# Altium PCB DSP_FPGA.PcbDoc (part 6 of 7) (continued)
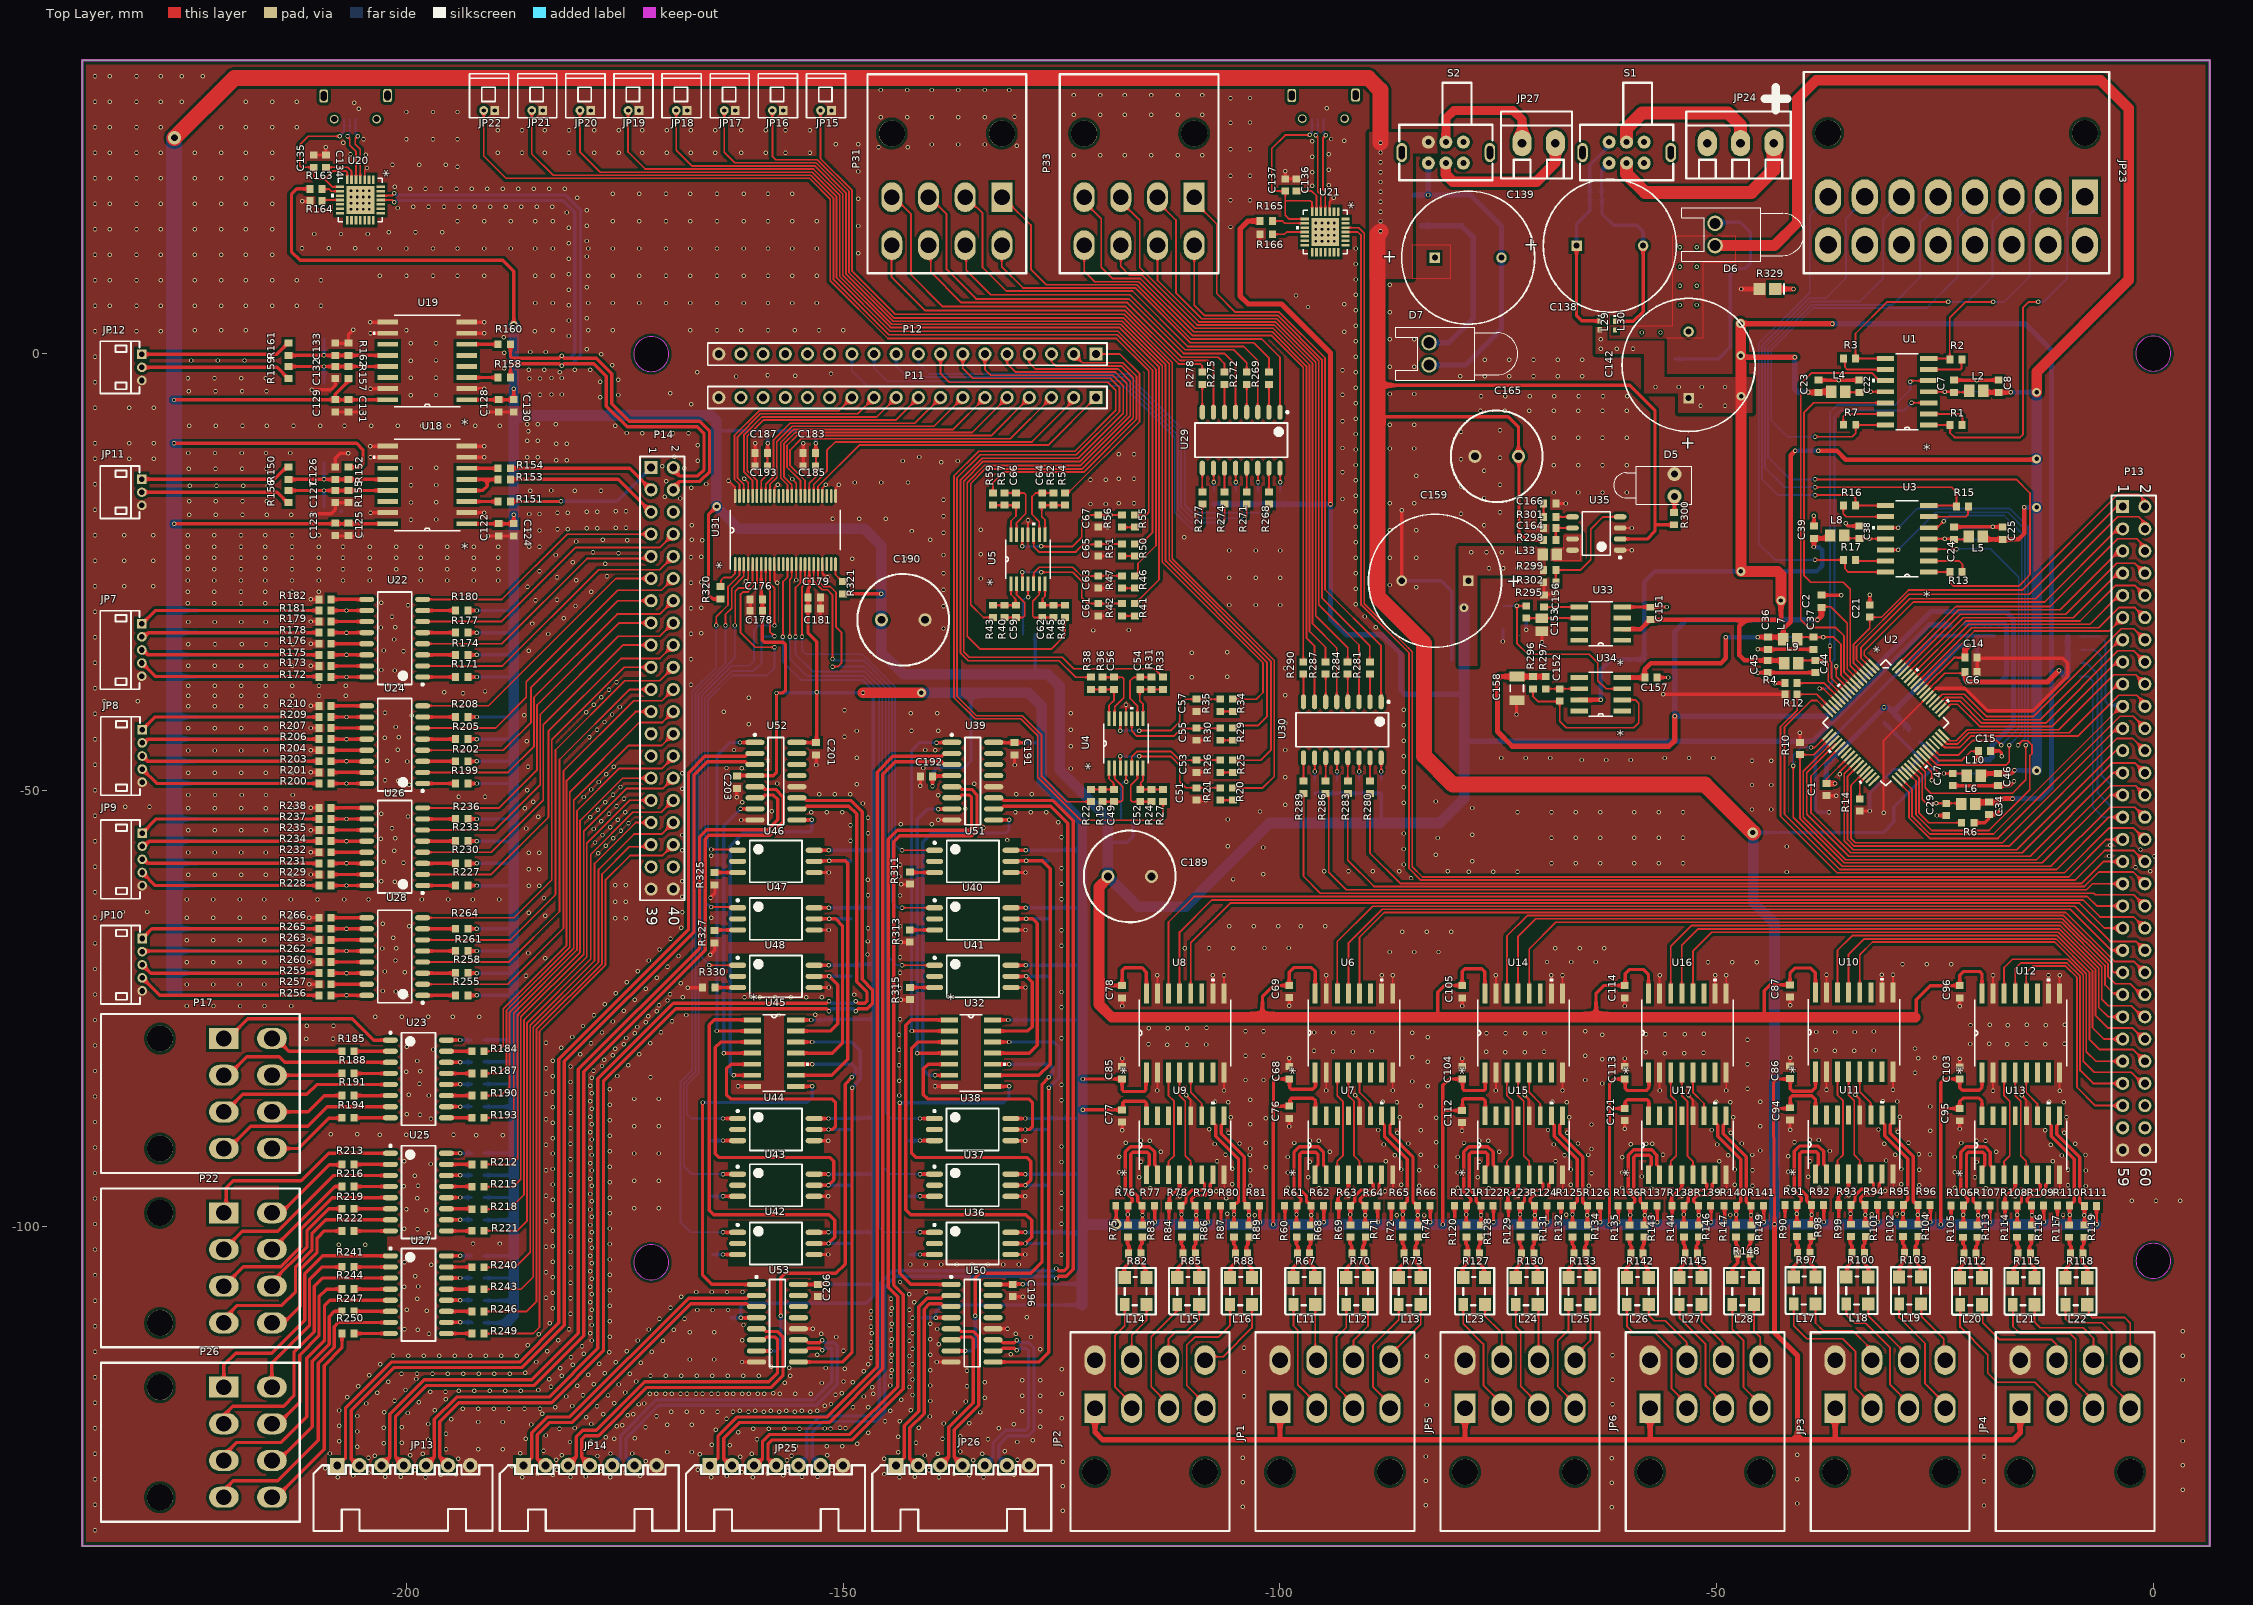
[diagram p0: Top Layer view]
## Nets (pads, with @x,y where several pads share a name; then routed paths per layer and width w, separated by ;. In a path a pad name is that pad's centre, name@x,y a point inside that pad or via, vN(x,y) a via of type N, cw(c..) or ccw(c..) an arc to the next point about the centre after c; other vN are vias at no path point) (continued)
NetR193_2: R193.2 U23.9 | length 2.9
  Top Layer w0.381: U23.9@-195.453,-87.503 R193.2@-192.533,-87.503
NetR194_1: R194.1 U23.8 | length 4.2
  Top Layer w0.381: R194.1@-206.005,-87.503 U23.8@-201.853,-87.503
NetR195_1: R195.1 R200.1 U24.16 | length 5.8
  Top Layer w0.381: R200.1@-208.647,-49.225 v1(-206.883,-49.225) U24.16@-204.571,-49.225
  Bottom Layer w0.381: R195.1@-208.647,-49.225 v1(-206.883,-49.225)
NetR196_1: R196.1 R203.1 U24.14 | length 5.8
  Top Layer w0.381: R203.1@-208.647,-46.685 v1(-206.883,-46.685) U24.14@-204.571,-46.685
  Bottom Layer w0.381: R196.1@-208.647,-46.685 v1(-206.883,-46.685)
NetR197_1: R197.1 R206.1 U24.12 | length 5.8
  Top Layer w0.381: R206.1@-208.647,-44.145 v1(-206.883,-44.145) U24.12@-204.571,-44.145
  Bottom Layer w0.381: R197.1@-208.647,-44.145 v1(-206.883,-44.145)
NetR198_1: R198.1 R209.1 U24.10 | length 5.8
  Top Layer w0.381: R209.1@-208.647,-41.605 v1(-206.883,-41.605) U24.10@-204.571,-41.605
  Bottom Layer w0.381: R198.1@-208.647,-41.605 v1(-206.883,-41.605)
NetR199_2: R199.2 U24.1 | length 3.8
  Top Layer w0.381: U24.1@-198.171,-49.225 R199.2@-194.393,-49.225
NetR201_1: R201.1 U24.15 | length 4.1
  Top Layer w0.381: R201.1@-208.647,-47.955 U24.15@-204.571,-47.955
NetR202_2: R202.2 U24.3 | length 3.8
  Top Layer w0.381: U24.3@-198.171,-46.685 R202.2@-194.393,-46.685
NetR204_1: R204.1 U24.13 | length 4.1
  Top Layer w0.381: R204.1@-208.647,-45.415 U24.13@-204.571,-45.415
NetR205_2: R205.2 U24.5 | length 3.8
  Top Layer w0.381: U24.5@-198.171,-44.145 R205.2@-194.393,-44.145
NetR207_1: R207.1 U24.11 | length 4.1
  Top Layer w0.381: R207.1@-208.647,-42.875 U24.11@-204.571,-42.875
NetR208_2: R208.2 U24.7 | length 3.8
  Top Layer w0.381: U24.7@-198.171,-41.605 R208.2@-194.393,-41.605
NetR210_1: R210.1 U24.9 | length 4.1
  Top Layer w0.381: R210.1@-208.647,-40.335 U24.9@-204.571,-40.335
NetR211_2: R211.2 U25.16 | length 2.9
  Top Layer w0.381: U25.16@-195.44,-91.554 v1(-193.853,-91.554)
  Bottom Layer w0.381: v1(-193.853,-91.554) R211.2@-192.572,-91.554
NetR212_2: R212.2 U25.15 | length 2.9
  Top Layer w0.381: U25.15@-195.453,-92.837 R212.2@-192.533,-92.837
NetR213_1: R213.1 U25.2 | length 4.2
  Top Layer w0.381: R213.1@-206.005,-92.837 U25.2@-201.853,-92.837
NetR214_2: R214.2 U25.14 | length 2.9
  Top Layer w0.381: U25.14@-195.44,-94.094 v1(-193.853,-94.094)
  Bottom Layer w0.381: v1(-193.853,-94.094) R214.2@-192.572,-94.094
NetR215_2: R215.2 U25.13 | length 2.9
  Top Layer w0.381: U25.13@-195.453,-95.377 R215.2@-192.533,-95.377
NetR216_1: R216.1 U25.4 | length 4.2
  Top Layer w0.381: R216.1@-206.005,-95.377 U25.4@-201.853,-95.377
NetR217_2: R217.2 U25.12 | length 2.9
  Top Layer w0.381: U25.12@-195.44,-96.634 v1(-193.853,-96.634)
  Bottom Layer w0.381: v1(-193.853,-96.634) R217.2@-192.572,-96.634
NetR218_2: R218.2 U25.11 | length 2.9
  Top Layer w0.381: U25.11@-195.453,-97.917 R218.2@-192.533,-97.917
NetR219_1: R219.1 U25.6 | length 4.2
  Top Layer w0.381: R219.1@-206.005,-97.917 U25.6@-201.853,-97.917
NetR220_2: R220.2 U25.10 | length 2.9
  Top Layer w0.381: U25.10@-195.44,-99.174 v1(-193.853,-99.174)
  Bottom Layer w0.381: v1(-193.853,-99.174) R220.2@-192.572,-99.174
NetR221_2: R221.2 U25.9 | length 2.9
  Top Layer w0.381: U25.9@-195.453,-100.457 R221.2@-192.533,-100.457
NetR222_1: R222.1 U25.8 | length 4.2
  Top Layer w0.381: R222.1@-206.005,-100.457 U25.8@-201.853,-100.457
NetR223_1: R223.1 R228.1 U26.16 | length 5.8
  Top Layer w0.381: R228.1@-208.647,-60.909 v1(-206.883,-60.909) U26.16@-204.571,-60.909
  Bottom Layer w0.381: R223.1@-208.647,-60.909 v1(-206.883,-60.909)
NetR224_1: R224.1 R231.1 U26.14 | length 5.8
  Top Layer w0.381: R231.1@-208.647,-58.369 v1(-206.883,-58.369) U26.14@-204.571,-58.369
  Bottom Layer w0.381: R224.1@-208.647,-58.369 v1(-206.883,-58.369)
NetR225_1: R225.1 R234.1 U26.12 | length 5.8
  Top Layer w0.381: R234.1@-208.647,-55.829 v1(-206.883,-55.829) U26.12@-204.571,-55.829
  Bottom Layer w0.381: R225.1@-208.647,-55.829 v1(-206.883,-55.829)
NetR226_1: R226.1 R237.1 U26.10 | length 5.8
  Top Layer w0.381: R237.1@-208.647,-53.289 v1(-206.883,-53.289) U26.10@-204.571,-53.289
  Bottom Layer w0.381: R226.1@-208.647,-53.289 v1(-206.883,-53.289)
NetR227_2: R227.2 U26.1 | length 3.8
  Top Layer w0.381: U26.1@-198.171,-60.909 R227.2@-194.393,-60.909
NetR229_1: R229.1 U26.15 | length 4.1
  Top Layer w0.381: R229.1@-208.647,-59.639 U26.15@-204.571,-59.639
NetR230_2: R230.2 U26.3 | length 3.8
  Top Layer w0.381: U26.3@-198.171,-58.369 R230.2@-194.393,-58.369
NetR232_1: R232.1 U26.13 | length 4.1
  Top Layer w0.381: R232.1@-208.647,-57.099 U26.13@-204.571,-57.099
NetR233_2: R233.2 U26.5 | length 3.8
  Top Layer w0.381: U26.5@-198.171,-55.829 R233.2@-194.393,-55.829
NetR235_1: R235.1 U26.11 | length 4.1
  Top Layer w0.381: R235.1@-208.647,-54.559 U26.11@-204.571,-54.559
NetR236_2: R236.2 U26.7 | length 3.8
  Top Layer w0.381: U26.7@-198.171,-53.289 R236.2@-194.393,-53.289
NetR238_1: R238.1 U26.9 | length 4.1
  Top Layer w0.381: R238.1@-208.647,-52.019 U26.9@-204.571,-52.019
NetR239_2: R239.2 U27.16 | length 2.9
  Top Layer w0.381: U27.16@-195.44,-103.302 v1(-193.853,-103.302)
  Bottom Layer w0.381: v1(-193.853,-103.302) R239.2@-192.572,-103.302
NetR240_2: R240.2 U27.15 | length 2.9
  Top Layer w0.381: U27.15@-195.453,-104.585 R240.2@-192.533,-104.585
NetR241_1: R241.1 U27.2 | length 4.2
  Top Layer w0.381: R241.1@-206.005,-104.585 U27.2@-201.853,-104.585
NetR242_2: R242.2 U27.14 | length 2.9
  Top Layer w0.381: U27.14@-195.44,-105.842 v1(-193.853,-105.842)
  Bottom Layer w0.381: v1(-193.853,-105.842) R242.2@-192.572,-105.842
NetR243_2: R243.2 U27.13 | length 2.9
  Top Layer w0.381: U27.13@-195.453,-107.125 R243.2@-192.533,-107.125
NetR244_1: R244.1 U27.4 | length 4.2
  Top Layer w0.381: R244.1@-206.005,-107.125 U27.4@-201.853,-107.125
NetR245_2: R245.2 U27.12 | length 2.9
  Top Layer w0.381: U27.12@-195.44,-108.382 v1(-193.853,-108.382)
  Bottom Layer w0.381: v1(-193.853,-108.382) R245.2@-192.572,-108.382
NetR246_2: R246.2 U27.11 | length 2.9
  Top Layer w0.381: U27.11@-195.453,-109.665 R246.2@-192.533,-109.665
NetR247_1: R247.1 U27.6 | length 4.2
  Top Layer w0.381: R247.1@-206.005,-109.665 U27.6@-201.853,-109.665
NetR248_2: R248.2 U27.10 | length 3
  Top Layer w0.381: U27.10@-195.453,-110.935 -195.44,-110.922 v1(-193.853,-110.922)
  Bottom Layer w0.381: v1(-193.853,-110.922) -192.572,-110.922 R248.2@-192.521,-110.973
NetR249_2: R249.2 U27.9 | length 2.9
  Top Layer w0.381: U27.9@-195.453,-112.205 -192.533,-112.205 R249.2@-192.521,-112.217
NetR250_1: R250.1 U27.8 | length 4.2
  Top Layer w0.381: R250.1@-206.005,-112.217 -205.993,-112.205 U27.8@-201.853,-112.205
NetR251_1: R251.1 R256.1 U28.16 | length 5.8
  Top Layer w0.381: R256.1@-208.647,-73.482 v1(-206.883,-73.482) U28.16@-204.571,-73.482
  Bottom Layer w0.381: R251.1@-208.647,-73.482 v1(-206.883,-73.482)
NetR252_1: R252.1 R259.1 U28.14 | length 5.8
  Top Layer w0.381: R259.1@-208.647,-70.942 v1(-206.883,-70.942) U28.14@-204.571,-70.942
  Bottom Layer w0.381: R252.1@-208.647,-70.942 v1(-206.883,-70.942)
NetR253_1: R253.1 R262.1 U28.12 | length 5.8
  Top Layer w0.381: R262.1@-208.647,-68.402 v1(-206.883,-68.402) U28.12@-204.571,-68.402
  Bottom Layer w0.381: R253.1@-208.647,-68.402 v1(-206.883,-68.402)
NetR254_1: R254.1 R265.1 U28.10 | length 5.8
  Top Layer w0.381: R265.1@-208.647,-65.862 v1(-206.883,-65.862) U28.10@-204.571,-65.862
  Bottom Layer w0.381: R254.1@-208.647,-65.862 v1(-206.883,-65.862)
NetR255_2: R255.2 U28.1 | length 3.8
  Top Layer w0.381: U28.1@-198.171,-73.482 R255.2@-194.393,-73.482
NetR257_1: R257.1 U28.15 | length 4.1
  Top Layer w0.381: R257.1@-208.647,-72.212 U28.15@-204.571,-72.212
NetR258_2: R258.2 U28.3 | length 3.8
  Top Layer w0.381: U28.3@-198.171,-70.942 R258.2@-194.393,-70.942
NetR260_1: R260.1 U28.13 | length 4.1
  Top Layer w0.381: R260.1@-208.647,-69.672 U28.13@-204.571,-69.672
NetR261_2: R261.2 U28.5 | length 3.8
  Top Layer w0.381: U28.5@-198.171,-68.402 R261.2@-194.393,-68.402
NetR263_1: R263.1 U28.11 | length 4.1
  Top Layer w0.381: R263.1@-208.647,-67.132 U28.11@-204.571,-67.132
NetR264_2: R264.2 U28.7 | length 3.8
  Top Layer w0.381: U28.7@-198.171,-65.862 R264.2@-194.393,-65.862
NetR266_1: R266.1 U28.9 | length 4.1
  Top Layer w0.381: R266.1@-208.647,-64.592 U28.9@-204.571,-64.592
NetR267_2: R267.2 U29.16 | length 2.6
  Top Layer w0.203: v1(-99.974,-14.746) U29.16@-99.974,-13.196
  Bottom Layer w0.203: R267.2@-99.974,-15.81 v1(-99.974,-14.746)
NetR268_2: R268.2 U29.15 | length 2.7
  Top Layer w0.203: R268.2@-101.27,-15.835 U29.15@-101.27,-13.171
NetR269_1: R269.1 U29.2 | length 3.2
  Top Layer w0.203: U29.2@-101.27,-6.706 R269.1@-101.27,-3.519
NetR270_2: R270.2 U29.14 | length 2.6
  Top Layer w0.203: v1(-102.514,-14.746) U29.14@-102.514,-13.196
  Bottom Layer w0.203: R270.2@-102.514,-15.81 v1(-102.514,-14.746)
NetR271_2: R271.2 U29.13 | length 2.7
  Top Layer w0.203: R271.2@-103.81,-15.835 U29.13@-103.81,-13.171
NetR272_1: R272.1 U29.4 | length 3.2
  Top Layer w0.203: U29.4@-103.81,-6.706 R272.1@-103.81,-3.519
NetR273_2: R273.2 U29.12 | length 2.6
  Top Layer w0.203: v1(-105.054,-14.746) U29.12@-105.054,-13.196
  Bottom Layer w0.203: R273.2@-105.054,-15.81 v1(-105.054,-14.746)
NetR274_2: R274.2 U29.11 | length 2.7
  Top Layer w0.203: R274.2@-106.35,-15.835 U29.11@-106.35,-13.171
NetR275_1: R275.1 U29.6 | length 3.2
  Top Layer w0.203: U29.6@-106.35,-6.706 R275.1@-106.35,-3.519
NetR276_2: R276.2 U29.10 | length 2.6
  Top Layer w0.203: v1(-107.594,-14.746) U29.10@-107.594,-13.196
  Bottom Layer w0.203: R276.2@-107.594,-15.81 v1(-107.594,-14.746)
NetR277_2: R277.2 U29.9 | length 2.7
  Top Layer w0.203: R277.2@-108.89,-15.835 U29.9@-108.89,-13.171
NetR278_1: R278.1 U29.8 | length 3.2
  Top Layer w0.203: U29.8@-108.89,-6.706 R278.1@-108.89,-3.519
NetR279_2: R279.2 U30.16 | length 2.6
  Top Layer w0.203: v1(-88.392,-47.854) U30.16@-88.392,-46.304
  Bottom Layer w0.203: R279.2@-88.392,-48.917 v1(-88.392,-47.854)
NetR280_2: R280.2 U30.15 | length 2.7
  Top Layer w0.203: R280.2@-89.687,-48.943 U30.15@-89.687,-46.278
NetR281_1: R281.1 U30.2 | length 3.2
  Top Layer w0.203: R281.1@-89.713,-36.692 -89.687,-36.717 U30.2@-89.687,-39.878
NetR282_2: R282.2 U30.14 | length 2.6
  Top Layer w0.203: v1(-90.932,-47.854) U30.14@-90.932,-46.304
  Bottom Layer w0.203: R282.2@-90.932,-48.917 v1(-90.932,-47.854)
NetR283_2: R283.2 U30.13 | length 2.7
  Top Layer w0.203: R283.2@-92.227,-48.943 U30.13@-92.227,-46.278
NetR284_1: R284.1 U30.4 | length 3.2
  Top Layer w0.203: R284.1@-92.253,-36.692 -92.227,-36.717 U30.4@-92.227,-39.878
NetR285_2: R285.2 U30.12 | length 2.6
  Top Layer w0.203: v1(-93.472,-47.854) U30.12@-93.472,-46.304
  Bottom Layer w0.203: R285.2@-93.472,-48.917 v1(-93.472,-47.854)
NetR286_2: R286.2 U30.11 | length 2.7
  Top Layer w0.203: R286.2@-94.767,-48.943 U30.11@-94.767,-46.278
NetR287_1: R287.1 U30.6 | length 3.2
  Top Layer w0.203: R287.1@-94.793,-36.692 -94.767,-36.717 U30.6@-94.767,-39.878
NetR288_2: R288.2 U30.10 | length 2.7
  Top Layer w0.203: U30.10@-96.037,-46.278 -96.012,-46.304 v1(-96.012,-47.854)
  Bottom Layer w0.203: R288.2@-96.037,-48.943 -96.012,-48.917 v1(-96.012,-47.854)
NetR289_2: R289.2 U30.9 | length 2.7
  Top Layer w0.203: R289.2@-97.307,-48.943 U30.9@-97.307,-46.278
NetR290_1: R290.1 U30.8 | length 3.2
  Top Layer w0.203: R290.1@-97.333,-36.692 -97.333,-36.867 -97.307,-36.892 U30.8@-97.307,-39.878
NetR299_2: R299.2 R302.1 U35.4 | length 13.3
  Top Layer w0.203: R302.1@-68.413,-26.187 R299.2@-68.413,-24.79 -65.608,-24.79 -64.414,-23.597 -64.414,-20.091 -63.017,-18.694 U35.4@-61.054,-18.694
NetR301_2: R301.2 U35.5 | length 1.9
  Top Layer w0.203: R301.2@-68.413,-18.694 U35.5@-66.504,-18.694
NetR305_1: R305.1 U36.3 | length 2.6
  Top Layer w0.381: v1(-141.224,-103.162) U36.3@-139.567,-103.162
  Bottom Layer w0.381: R305.1@-142.38,-103.162 v1@-141.465,-103.162
NetR307_1: R307.1 U37.3 | length 2.6
  Top Layer w0.381: v1(-141.224,-96.495) U37.3@-139.567,-96.495
  Bottom Layer w0.381: R307.1@-142.38,-96.495 v1@-141.465,-96.495
NetR309_1: R309.1 U38.3 | length 2.6
  Top Layer w0.381: v1(-141.224,-90.106) -141.211,-90.119 U38.3@-139.567,-90.119
  Bottom Layer w0.381: R309.1@-142.38,-90.119 v1@-141.465,-90.119
NetR311_1: R311.1 U39.3 | length 2.9
  Top Layer w0.381: R311.1@-142.38,-59.347 -142.314,-59.413 U39.3@-139.541,-59.413
NetR313_1: R313.1 U40.3 | length 2.8
  Top Layer w0.381: R313.1@-142.38,-65.997 U40.3@-139.541,-65.997
NetR315_1: R315.1 U41.3 | length 2.8
  Top Layer w0.381: R315.1@-142.38,-72.581 U41.3@-139.541,-72.581
NetR316_2: R316.2 U42.5 U45.1 | length 48.4
  Top Layer w0.381: U45.1@-160.401,-76.289 -164.77,-76.289 -165.354,-76.873 -165.354,-98.09 -164.854,-98.59 -151.638,-98.59 -150.978,-99.251 -150.978,-101.168 v1(-151.701,-101.892) U42.5@-153.372,-101.892
  Bottom Layer w0.381: v1@-151.714,-101.892 v1(-151.701,-101.892) R316.2@-149.162,-101.892
NetR317_1: R317.1 U42.3 | length 2.6
  Top Layer w0.381: v1(-163.779,-103.162) U42.3@-162.122,-103.162
  Bottom Layer w0.381: R317.1@-164.935,-103.162 v1@-164.02,-103.162
NetR318_2: R318.2 U43.5 U45.3 | length 37.8
  Top Layer w0.381: U45.3@-160.401,-78.829 -164.046,-78.829 -164.668,-79.451 -164.668,-91.63 -164.249,-92.05 -151.536,-92.05 -151.105,-92.481 -151.105,-94.628 v1(-151.701,-95.225) U43.5@-153.372,-95.225
  Bottom Layer w0.381: v1@-151.714,-95.225 v1(-151.701,-95.225) R318.2@-149.162,-95.225
NetR319_1: R319.1 U43.3 | length 2.6
  Top Layer w0.381: v1(-163.779,-96.495) U43.3@-162.122,-96.495
  Bottom Layer w0.381: R319.1@-164.935,-96.495 v1@-164.02,-96.495
NetR320_1: R320.1 U31.1 | length 3.8
  Top Layer w0.203: R320.1@-164.059,-26.694 -164.008,-26.643 -164.008,-25.946 -163.698,-25.636 -162.84,-25.636 -162.41,-25.207 -162.41,-24.124 U31.1@-162.392,-24.106
NetR321_1: R321.1 U31.24 | length 2.4
  Top Layer w0.203: U31.24@-150.892,-24.106 -150.892,-25.306 -150.088,-26.11 R321.1@-150.038,-26.11
NetR322_2: R322.2 U44.5 U45.5 | length 26.9
  Top Layer w0.381: U45.5@-160.401,-81.369 -162.852,-81.369 -163.386,-81.902 -163.386,-84.849 -162.89,-85.344 -151.32,-85.344 -150.889,-85.776 -150.889,-88.468 -151.27,-88.849 v1(-151.701,-88.849) U44.5@-153.372,-88.849
  Bottom Layer w0.381: v1(-151.701,-88.849) R322.2@-149.149,-88.849
NetR323_1: R323.1 U44.3 | length 2.6
  Top Layer w0.381: v1(-163.779,-90.106) -163.766,-90.119 U44.3@-162.122,-90.119
  Bottom Layer w0.381: R323.1@-164.935,-90.119 v1@-164.02,-90.119
NetR324_2: R324.2 U45.9 U46.5 | length 35.7
  Top Layer w0.381: U45.9@-155.473,-82.639 U45.9@-155.461,-82.639 -151.333,-82.639 -149.479,-80.785 -149.479,-58.369 -149.771,-58.077 U46.5@-153.346,-58.077
  Bottom Layer w0.381: v1(-151.613,-58.064) -149.227,-58.064 R324.2@-149.149,-58.143
NetR325_1: R325.1 U46.3 | length 2.9
  Top Layer w0.381: R325.1@-164.869,-59.413 U46.3@-162.096,-59.413 ; R325.1@-164.531,-59.422 R325.1@-164.465,-59.488
NetR326_2: R326.2 U45.11 U47.5 | length 25.3
  Top Layer w0.381: U45.11@-155.473,-80.099 U45.11@-155.461,-80.099 -151.244,-80.099 -150.101,-78.956 -150.101,-65.507 -150.889,-64.719 v1(-151.613,-64.719) U47.5@-153.346,-64.719
  Bottom Layer w0.381: v1(-151.613,-64.719) -149.156,-64.719 R326.2@-149.149,-64.727
NetR327_1: R327.1 U47.3 | length 2.8
  Top Layer w0.381: R327.1@-164.795,-66.077 R327.1@-164.528,-66.077 ; R327.1@-164.668,-65.997 U47.3@-162.096,-65.997
NetR328_2: R328.2 U45.13 U48.5 | length 15.2
  Top Layer w0.381: U45.13@-155.473,-77.559 U45.13@-155.461,-77.559 -151.435,-77.559 -150.635,-76.759 -150.635,-72.288 v1(-151.613,-71.31) U48.5@-153.346,-71.31
  Bottom Layer w0.381: v1(-151.613,-71.31) R328.2@-149.149,-71.31
NetR330_1: R330.1 U48.3 | length 2.8
  Top Layer w0.381: R330.1@-164.935,-72.581 U48.3@-162.096,-72.581
NetU1_3: U1.3 U2.13 | length 46.4
  Top Layer w0.203: v1(-38.227,-38.354) -37.765,-38.354 U2.13@-36.21,-39.908 ; v1(-27.686,-5.639) U1.3@-25.73,-5.639
  Bottom Layer w0.203: v1(-38.227,-38.354) -37.389,-38.354 -36.801,-37.766 -36.801,-35.302 -36.517,-35.018 -36.517,-7.23 -35.814,-6.528 -28.575,-6.528 v1(-27.686,-5.639)
NetU1_5: U1.5 U2.10 | length 46.2
  Top Layer w0.203: v1(-37.02,-33.465) -37.02,-35.205 -36.855,-35.37 -36.855,-37.142 U2.10@-35.15,-38.848 ; v1(-27.813,-3.226) -27.686,-3.099 U1.5@-25.73,-3.099
  Bottom Layer w0.203: v1(-37.02,-33.465) -37.02,-31.128 ; -37.02,-31.102 -37.02,-6.718 -36.195,-5.893 -29.591,-5.893 -27.813,-4.115 v1(-27.813,-3.226)
NetU1_10: U1.10 U2.7 | length 49.3
  Top Layer w0.203: -40.361,-23.571 -40.361,-30.48 -39.472,-31.369 -36.373,-31.369 -35.41,-32.331 -35.41,-36.465 U2.7@-34.089,-37.787 ; -40.361,-23.546 -40.361,-3.454 -39.116,-2.21 -32.258,-2.21 -31.369,-3.099 U1.10@-30.658,-3.099
NetU1_12: U1.12 U2.5 | length 45
  Top Layer w0.203: -40.005,-18.491 -40.005,-25.4 -39.218,-26.187 -35.484,-26.187 -34.699,-26.972 -34.699,-35.762 U2.5@-33.382,-37.08 ; -40.005,-18.466 -40.005,-6.782 -38.862,-5.639 U1.12@-30.658,-5.639
NetU2_36: U2.36 U3.12 | length 71.9
  Top Layer w0.203: U3.12@-30.658,-22.479 v1(-29.21,-22.479) ; U2.36@-28.263,-47.856 -27.178,-48.941 -27.178,-52.781 -25.349,-54.61 -18.821,-54.61 -14.148,-49.936 -14.148,-46.052 -13.892,-45.796 -13.892,-44.831 -14.396,-44.327 -14.99,-44.327 v1(-15.494,-44.831)
  Bottom Layer w0.203: v1(-29.21,-22.479) -24.892,-18.161 -16.642,-18.161 -14.707,-20.097 -14.707,-44.044 v1(-15.494,-44.831)
NetU2_39: U2.39 U3.10 | length 63
  Top Layer w0.203: U3.10@-30.658,-19.939 v1(-29.21,-19.939) ; U2.39@-27.202,-46.795 -26.111,-47.886 -26.111,-49.733 -25.502,-50.343 -16.129,-50.343 -14.605,-48.819 v1(-14.605,-44.831)
  Bottom Layer w0.203: v1(-29.21,-19.939) -27.008,-17.737 -16.426,-17.737 -14.351,-19.812 -14.351,-44.577 v1(-14.605,-44.831)
NetU2_42: U2.42 U3.5 | length 49
  Top Layer w0.203: U2.42@-26.142,-45.734 -24.759,-47.117 -16.866,-47.117 -16.506,-46.757 v1@-16.506,-44.827 ; U3.5@-25.73,-19.939 -24.765,-19.939 v1(-24.003,-19.177)
  Bottom Layer w0.203: v1@-23.876,-19.05 -23.368,-18.542 -17.102,-18.542 -15.062,-20.582 -15.062,-43.383 v1(-16.51,-44.831)
NetU2_44: U2.44 U3.3 | length 41.1
  Top Layer w0.203: U3.3@-25.73,-22.479 -25.66,-22.409 v1(-22.536,-22.409) v1@-22.479,-22.352 ; U2.44@-25.434,-45.027 -24.488,-45.974 -22.352,-45.974 -20.676,-44.298 -17.932,-44.298 v1(-17.399,-44.831)
  Bottom Layer w0.203: v1@-22.479,-22.352 -18.669,-22.352 -15.418,-25.603 -15.418,-42.85 v1(-17.399,-44.831)
NetU6_3: U6.3 U7.3 | length 12.2
  Top Layer w0.203: U7.3@-93.434,-94.018 -93.434,-92.469 -92.799,-91.834 -92.799,-85.611 -93.434,-84.976 U6.3@-93.434,-82.309
NetU6_4: U6.4 U7.5 | length 18
  Top Layer w0.203: U6.4@-92.164,-82.309 -92.164,-84.976 -91.529,-85.611 ; -91.529,-91.326 -91.529,-85.611 ; U7.5@-90.894,-94.018 -90.894,-92.469 -91.529,-91.834 -91.529,-85.611
NetU6_5: U6.5 U7.11 | length 5.5
  Top Layer w0.203: U6.5@-90.894,-82.309 -90.894,-84.595 -89.624,-85.865 U7.11@-89.624,-87.262
NetU8_3: U8.3 U9.3 | length 12.2
  Top Layer w0.203: U9.3@-112.763,-94.018 -112.763,-92.469 -112.128,-91.834 -112.128,-85.611 -112.763,-84.976 U8.3@-112.763,-82.309
NetU8_4: U8.4 U9.5 | length 18
  Top Layer w0.203: U8.4@-111.493,-82.309 -111.493,-84.976 -110.858,-85.611 ; -110.858,-91.326 -110.858,-85.611 ; U9.5@-110.223,-94.018 -110.223,-92.469 -110.858,-91.834 -110.858,-85.611
NetU8_5: U8.5 U9.11 | length 5.5
  Top Layer w0.203: U8.5@-110.223,-82.309 -110.223,-84.595 -108.953,-85.865 U9.11@-108.953,-87.262
NetU10_3: U10.3 U11.3 | length 12.2
  Top Layer w0.203: U11.3@-36.157,-93.942 -36.157,-92.392 -35.522,-91.757 -35.522,-85.534 -36.157,-84.9 U10.3@-36.157,-82.233
NetU10_4: U10.4 U11.5 | length 18
  Top Layer w0.203: U10.4@-34.887,-82.233 -34.887,-84.9 -34.252,-85.534 ; -34.252,-91.249 -34.252,-85.534 ; U11.5@-33.617,-93.942 -33.617,-92.392 -34.252,-91.757 -34.252,-85.534
NetU10_5: U10.5 U11.11 | length 5.5
  Top Layer w0.203: U10.5@-33.617,-82.233 -33.617,-84.519 -32.347,-85.788 U11.11@-32.347,-87.185
NetU12_3: U12.3 U13.3 | length 12.2
  Top Layer w0.203: U13.3@-17.081,-94.031 -17.081,-92.481 -16.447,-91.846 -16.447,-85.623 -17.081,-84.988 U12.3@-17.081,-82.321
NetU12_4: U12.4 U13.5 | length 18
  Top Layer w0.203: U12.4@-15.811,-82.321 -15.811,-84.988 -15.176,-85.623 ; -15.176,-91.338 -15.176,-85.623 ; U13.5@-14.541,-94.031 -14.541,-92.481 -15.176,-91.846 -15.176,-85.623
NetU12_5: U12.5 U13.11 | length 5.5
  Top Layer w0.203: U12.5@-14.541,-82.321 -14.541,-84.607 -13.271,-85.877 U13.11@-13.271,-87.274
NetU14_3: U14.3 U15.3 | length 12.2
  Top Layer w0.203: U15.3@-74.003,-94.018 -74.003,-92.469 -73.368,-91.834 -73.368,-85.611 -74.003,-84.976 U14.3@-74.003,-82.309
NetU14_4: U14.4 U15.5 | length 18
  Top Layer w0.203: U14.4@-72.733,-82.309 -72.733,-84.976 -72.098,-85.611 ; -72.098,-91.326 -72.098,-85.611 ; U15.5@-71.463,-94.018 -71.463,-92.469 -72.098,-91.834 -72.098,-85.611
NetU14_5: U14.5 U15.11 | length 5.5
  Top Layer w0.203: U14.5@-71.463,-82.309 -71.463,-84.595 -70.193,-85.865 U15.11@-70.193,-87.262
NetU16_3: U16.3 U17.3 | length 12.2
  Top Layer w0.203: U17.3@-55.258,-94.018 -55.258,-92.469 -54.623,-91.834 -54.623,-85.611 -55.258,-84.976 U16.3@-55.258,-82.309
NetU16_4: U16.4 U17.5 | length 18
  Top Layer w0.203: U16.4@-53.988,-82.309 -53.988,-84.976 -53.353,-85.611 ; -53.353,-91.326 -53.353,-85.611 ; U17.5@-52.718,-94.018 -52.718,-92.469 -53.353,-91.834 -53.353,-85.611
NetU16_5: U16.5 U17.11 | length 5.5
  Top Layer w0.203: U16.5@-52.718,-82.309 -52.718,-84.595 -51.448,-85.865 U17.11@-51.448,-87.262
NetU31_2: U31.2 U42.1 | length 84.9
  Top Layer w0.203: v1@-164.554,-30.886 -164.554,-30.137 -163.208,-28.791 -163.208,-26.683 -161.892,-25.367 U31.2@-161.892,-24.106
  Top Layer w0.381: v1(-163.779,-100.622) U42.1@-162.122,-100.622
  Bottom Layer w0.203: v1(-164.554,-31.128) -164.554,-35.941 -167.297,-38.684 -167.297,-82.067 -168.656,-83.426 -168.656,-99.416 -167.45,-100.622 v1(-163.779,-100.622)
NetU31_3: U31.3 U43.1 | length 78.3
  Top Layer w0.203: v1(-163.487,-31.128) -163.487,-29.858 -162.776,-29.146 -162.776,-26.899 -161.392,-25.515 U31.3@-161.392,-24.106
  Top Layer w0.381: v1(-163.779,-93.955) U43.1@-162.122,-93.955
  Bottom Layer w0.203: v1(-163.779,-93.955) -167.361,-93.955 -168.275,-93.04 -168.275,-83.608 -166.916,-82.249 -166.925,-38.845 -163.487,-35.408 v1(-163.487,-31.128)
NetU31_5: U31.5 U44.1 | length 72.4
  Top Layer w0.203: -162.386,-30.878 -162.386,-27.207 -162.027,-26.848 -161.125,-26.848 -160.392,-26.115 U31.5@-160.392,-24.106
  Top Layer w0.381: v1(-163.779,-87.579) U44.1@-162.122,-87.579
  Bottom Layer w0.203: v1(-163.779,-87.579) -167.437,-87.579 -167.919,-87.097 -167.919,-83.755 -166.56,-82.396 -166.56,-82.102 -166.569,-40.623 -166.569,-38.992 -162.42,-34.844 v1(-162.42,-31.128)
NetU31_6: U31.6 U46.1 | length 45.4
  Top Layer w0.203: v1@-165.24,-56.784 U46.1@-162.141,-56.784 ; U31.6@-159.892,-24.106 -159.892,-26.262 -160.922,-27.292 -161.519,-27.292 -161.76,-27.534 -161.76,-31.966 -160.096,-33.63 v1(-157.874,-33.63)
  Bottom Layer w0.203: v1@-165.24,-56.782 -165.24,-56.701 -165.499,-56.443 -165.499,-56.328 -165.499,-56.269 -165.502,-41.065 -165.502,-39.617 -162.744,-36.859 -158.779,-36.859 -157.874,-35.954 v1(-157.874,-33.63)
  other v1: -165.113,-56.782
NetU31_8: U31.8 U47.1 | length 48.5
  Top Layer w0.203: v1@-165.271,-63.368 U47.1@-162.141,-63.368 ; U31.8@-158.892,-24.106 -158.892,-26.668 -158.407,-27.153 -158.407,-31.845 v1(-157.874,-32.379)
  Bottom Layer w0.203: v1@-165.271,-63.368 -165.271,-63.287 -165.853,-62.706 -165.853,-62.612 -165.853,-62.532 -165.857,-40.917 -165.857,-39.469 -162.723,-36.335 -160.249,-36.335 -159.372,-35.458 -159.372,-32.715 -159.036,-32.379 v1(-157.874,-32.379)
  other v1: -165.144,-63.368
NetU31_9: U31.9 U48.1 | length 55.4
  Top Layer w0.203: v1(-165.354,-70.04) U48.1@-162.096,-70.04 ; U31.9@-158.392,-24.106 -158.392,-26.342 -157.874,-26.86 v1(-157.874,-31.128)
  Bottom Layer w0.203: -166.207,-68.982 -166.207,-69.107 -165.354,-69.96 v1(-165.354,-70.04) ; -166.207,-68.933 -166.213,-40.77 -166.213,-39.188 -162.763,-35.738 -160.757,-35.738 -160.223,-35.204 -160.223,-31.661 -159.69,-31.128 v1(-157.874,-31.128)
NetU31_13: U31.13 U36.1 | length 91.4
  Top Layer w0.203: v1(-156.921,-32.436) -156.909,-32.423 -156.909,-26.111 -156.392,-25.595 U31.13@-156.392,-24.106
  Top Layer w0.381: v1(-141.224,-100.622) U36.1@-139.567,-100.622
  Bottom Layer w0.203: v1(-156.921,-32.436) -156.921,-35.293 -154.851,-37.363 -147.853,-37.363 -145.885,-39.332 -145.885,-100.063 -145.326,-100.622 v1(-141.224,-100.622)
NetU31_14: U31.14 U37.1 | length 83.6
  Top Layer w0.203: v1(-156.134,-32.436) -156.134,-25.883 -155.892,-25.641 U31.14@-155.892,-24.106
  Top Layer w0.381: v1(-141.224,-93.955) U37.1@-139.567,-93.955
  Bottom Layer w0.203: v1(-156.134,-32.436) -156.134,-34.938 -154.14,-36.932 -147.65,-36.932 -145.529,-39.052 -145.529,-93.04 -144.615,-93.955 v1(-141.224,-93.955)
NetU31_16: U31.16 U38.1 | length 76.6
  Top Layer w0.203: v1(-155.473,-32.436) -155.473,-26.797 -154.892,-26.215 U31.16@-154.892,-24.106
  Top Layer w0.381: v1(-141.224,-87.579) U38.1@-139.567,-87.579
  Bottom Layer w0.203: v1(-155.473,-32.436) -155.473,-34.417 -153.505,-36.386 -147.599,-36.386 -145.148,-38.837 -145.148,-86.919 -144.488,-87.579 v1(-141.224,-87.579)
NetU31_17: U31.17 U39.1 | length 45.5
  Top Layer w0.203: v1@-154.851,-32.436 v1@-154.724,-32.309 ; v1(-154.724,-32.436) v1@-154.724,-32.309 ; U31.17@-154.392,-24.106 -154.392,-26.358 -154.724,-26.691 v1@-154.724,-32.309 ; v1@-143.281,-56.875 U39.1@-139.541,-56.875
  Bottom Layer w0.203: v1@-154.851,-32.436 -154.699,-32.588 -154.699,-33.998 -154.267,-34.43 -147.803,-34.43 -144.082,-38.151 -144.082,-56.21 -143.419,-56.873 -143.417,-56.871 v1(-143.281,-56.871)
NetU31_19: U31.19 U40.1 | length 49.7
  Top Layer w0.203: U31.19@-153.392,-24.106 -153.392,-26.072 -152.425,-27.038 -151.816,-27.038 -151.244,-27.61 v1(-151.244,-34.976) ; v1@-143.281,-63.459 U40.1@-139.541,-63.459
  Bottom Layer w0.203: v1@-151.092,-35.128 -147.663,-35.128 -144.437,-38.354 -144.437,-62.789 -143.764,-63.462 v1(-143.281,-63.462)
NetU31_20: U31.20 U41.1 | length 57.8
  Top Layer w0.203: U31.20@-152.892,-24.106 -152.892,-26.039 -152.26,-26.67 -151.516,-26.67 -150.825,-27.361 -150.825,-31.318 -150.216,-31.928 -150.216,-35.446 -150.609,-35.839 v1(-151.244,-35.839) ; v1@-143.281,-70.043 U41.1@-139.541,-70.043
  Bottom Layer w0.203: v1(-151.244,-35.839) -147.536,-35.839 -144.793,-38.583 -144.793,-69.126 -143.878,-70.04 v1(-143.281,-70.04)
NetU32_2: U32.2 U51.1 | length 41.3
  Top Layer w0.381: v1(-142.183,-77.559) U32.2@-137.846,-77.559 ; v1(-139.326,-44.552) U51.1@-137.668,-44.552
  Bottom Layer w0.381: v1(-142.183,-77.559) -142.183,-45.447 -141.262,-44.526 v1@-139.395,-44.526
NetU32_4: U32.4 U51.7 | length 35.1
  Top Layer w0.381: v1(-141.535,-80.099) U32.4@-137.846,-80.099 ; v1(-139.123,-52.172) U51.7@-137.465,-52.172
  Bottom Layer w0.203: v1(-141.535,-80.099) v1@-141.535,-80.029
  Bottom Layer w0.381: v1@-141.605,-80.099 -141.535,-80.029 -141.535,-53.296 -140.386,-52.146 v1@-139.192,-52.146
NetU32_6: U32.6 U51.9 | length 42.6
  Top Layer w0.381: v1(-139.503,-82.639) U32.6@-137.846,-82.639 ; U51.9@-132.664,-53.391 v1(-131.007,-53.391)
  Bottom Layer w0.381: v1(-139.503,-82.639) -140.195,-82.639 -140.919,-81.915 -140.919,-55.956 -139.852,-54.889 -131.369,-54.889 -131.035,-54.555 -131.035,-53.418 v1(-131.007,-53.391)
NetU32_8: U32.8 U50.1 | length 41.7
  Top Layer w0.381: v1(-143.523,-85.788) -143.523,-105.321 -142.265,-106.578 U50.1@-137.782,-106.578 ; U32.8@-132.918,-83.909 v1(-131.019,-83.909)
  Bottom Layer w0.381: v1(-143.523,-85.788) -131.674,-85.788 -131.019,-85.134 v1(-131.019,-83.909)
NetU32_10: U32.10 U50.7 | length 49.1
  Top Layer w0.381: U50.7@-137.655,-114.198 v1(-136.042,-114.198) ; v1(-134.887,-110.16) -134.887,-105.816 -134.366,-105.296 -128.554,-105.296 -127.241,-103.983 -127.241,-83.642 v1(-126.467,-82.867) ; U32.10@-132.918,-81.369 v1(-131.019,-81.369)
  Bottom Layer w0.381: v1(-136.042,-114.198) -135.306,-114.198 -134.887,-113.779 v1(-134.887,-110.16) ; v1(-131.019,-81.369) -126.403,-81.369 -126.022,-81.75 -126.022,-82.423 v1(-126.467,-82.867)
NetU32_12: U32.12 U50.9 | length 50.1
  Top Layer w0.381: U32.12@-132.918,-78.829 v1(-131.019,-78.829) ; U50.9@-132.855,-115.468 -127.597,-115.468 -126.467,-114.338 v1(-126.467,-84.061)
  Bottom Layer w0.381: v1(-131.019,-78.829) -125.895,-78.829 -125.298,-79.426 -125.298,-82.893 v1(-126.467,-84.061)
PWM_PULSE_1: P11.6 U31.36 | length 32
  Top Layer w0.203: U31.36@-156.392,-16.306 -156.392,-15.018 -157.162,-14.247 -157.162,-10.178 -155.663,-8.678 -137.431,-8.678 P11.6@-133.782,-5.029